# Altium PCB sugar65V2_ARGB_QMK(1).PcbDoc (part 3 of 8)
Units mm, origin at the board's own origin, x right, y up, seen from the top; angles counter-clockwise.
Board outline 416.94 x 174.37 mm, 2 copper layers (Top Layer, Bottom Layer); 304 components, 242 nets, 11102 pads, 1014 vias.
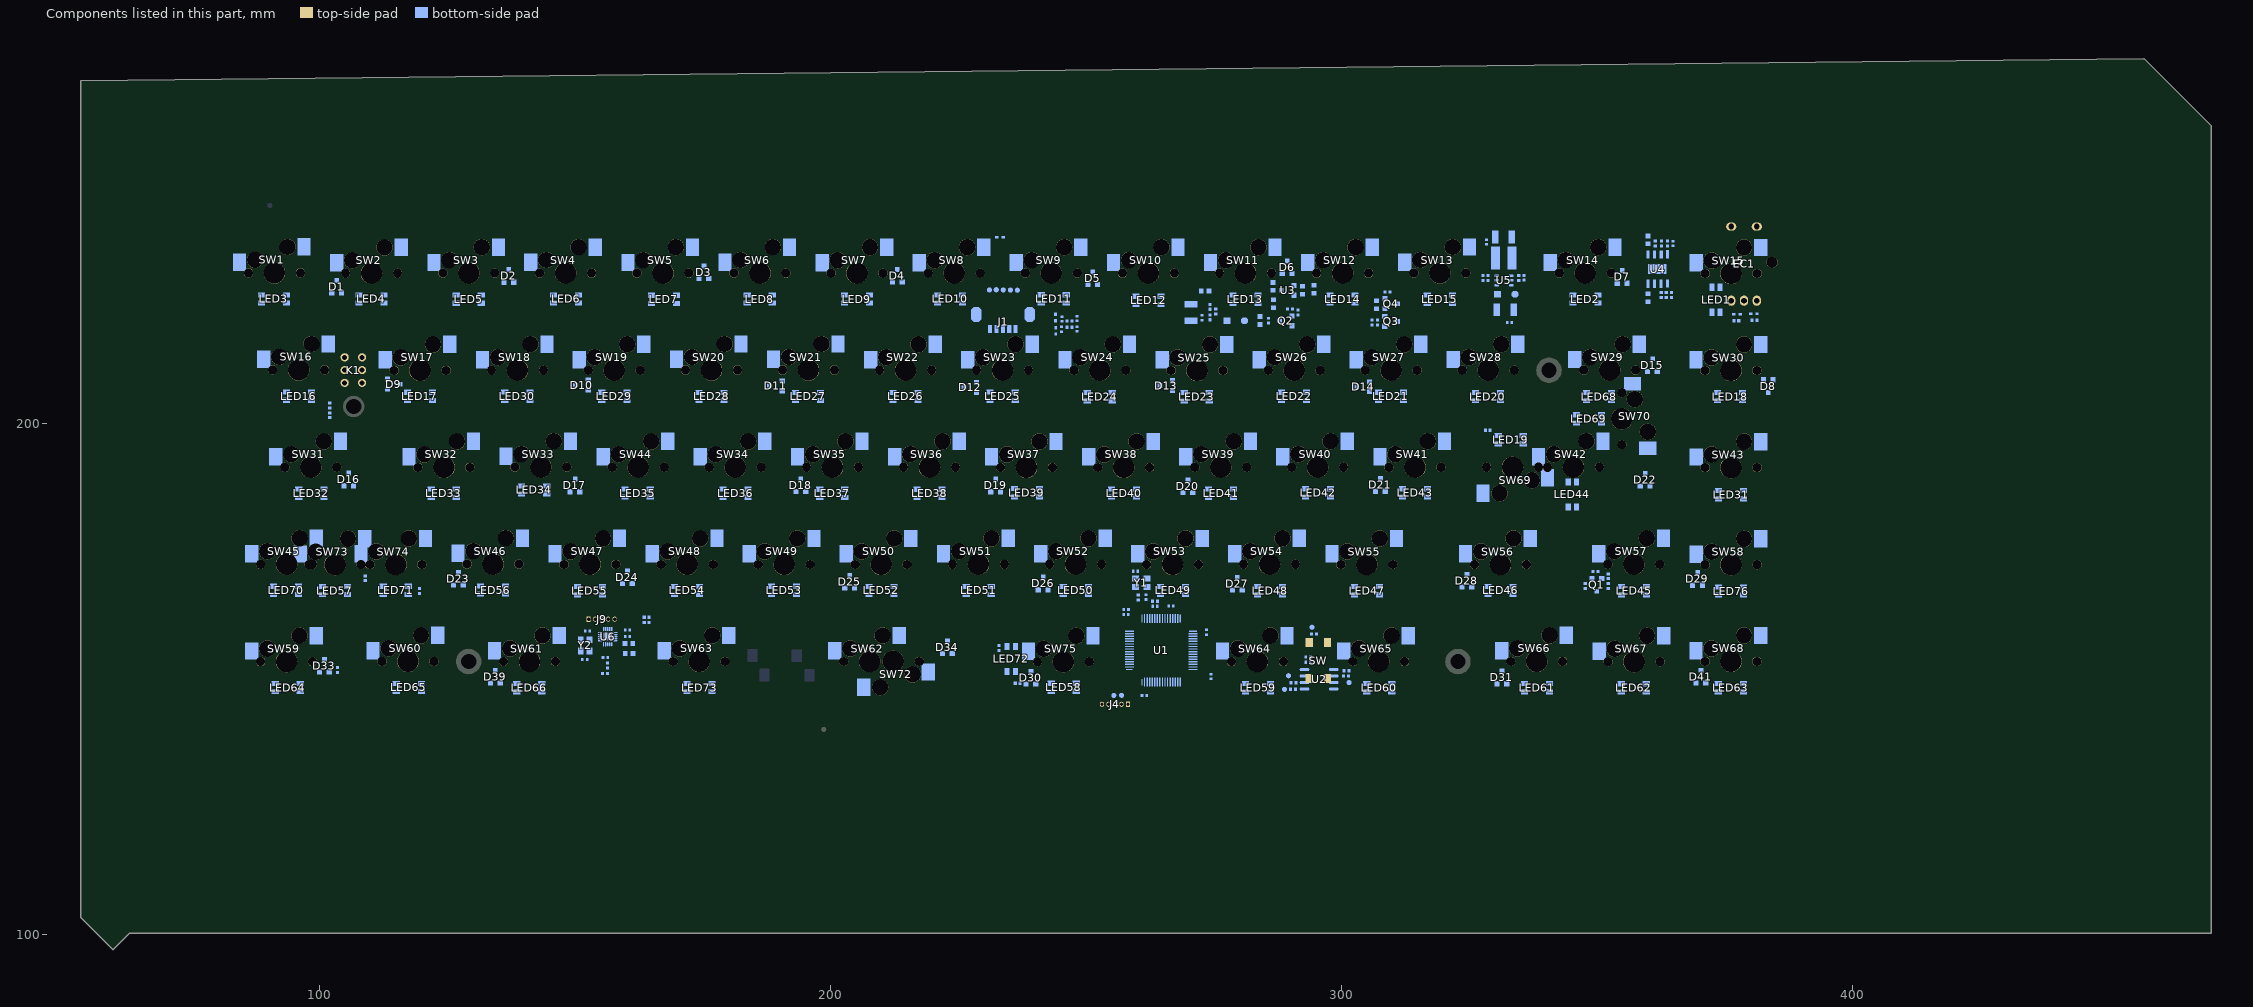
[diagram p3: the components of this part, seen from the top]

## Free pads (board coordinates) (continued)
  round 0.13 on Mech4: 1(86.432,231.961) 1(86.432,231.961) 1(86.462,231.701) 1(86.462,231.701) 1(86.462,232.211) 1(86.462,232.211) 1(86.552,231.471) 1(86.552,231.471) 1(86.552,232.441) 1(86.552,232.441) 1(86.702,231.261) 1(86.702,231.261) 1(86.702,232.651) 1(86.702,232.651) 1(86.892,231.091) 1(86.892,231.091) 1(86.892,232.821) 1(86.892,232.821) 1(87.112,230.971) 1(87.112,230.971) 1(87.112,232.941) 1(87.112,232.941) 1(87.362,230.911) 1(87.362,230.911) 1(87.362,233.001) 1(87.362,233.001) 1(87.612,230.911) 1(87.612,230.911) 1(87.612,233.001) 1(87.612,233.001) 1(87.852,230.971) 1(87.852,230.971) 1(87.852,232.941) 1(87.852,232.941) 1(88.082,231.091) 1(88.082,231.091) 1(88.082,232.821) 1(88.082,232.821) 1(88.272,231.261) 1(88.272,231.261) 1(88.272,232.651) 1(88.272,232.651) 1(88.412,231.471) 1(88.412,231.471) 1(88.412,232.441) 1(88.412,232.441) 1(88.502,231.701) 1(88.502,231.701) 1(88.502,232.211) 1(88.502,232.211) 1(88.532,231.961) 1(88.532,231.961) 1(88.807,155.961) 1(88.807,155.961) 1(88.808,174.962) 1(88.808,174.962) 1(88.837,155.701) 1(88.837,155.701) 1(88.837,156.211) 1(88.837,156.211) 1(88.838,174.702) 1(88.838,174.702) 1(88.838,175.212) 1(88.838,175.212) 1(88.927,155.471) 1(88.927,155.471) 1(88.927,156.441) 1(88.927,156.441) 1(88.928,174.472) 1(88.928,174.472) 1(88.928,175.442) 1(88.928,175.442) 1(89.077,155.261) 1(89.077,155.261) 1(89.077,156.651) 1(89.077,156.651) 1(89.078,174.262) 1(89.078,174.262) 1(89.078,175.652) 1(89.078,175.652) 1(89.267,155.091) 1(89.267,155.091) 1(89.267,156.821) 1(89.267,156.821) 1(89.268,174.092) 1(89.268,174.092) 1(89.268,175.822) 1(89.268,175.822) 1(89.487,154.971) 1(89.487,154.971) 1(89.487,156.941) 1(89.487,156.941) 1(89.488,173.972) 1(89.488,173.972) 1(89.488,175.942) 1(89.488,175.942) 1(89.737,154.911) 1(89.737,154.911) 1(89.737,157.001) 1(89.737,157.001) 1(89.738,173.912) 1(89.738,173.912) 1(89.738,176.002) 1(89.738,176.002) 1(89.987,154.911) 1(89.987,154.911) 1(89.987,157.001) 1(89.987,157.001) 1(89.988,173.912) 1(89.988,173.912) 1(89.988,176.002) 1(89.988,176.002) 1(90.227,154.971) 1(90.227,154.971) 1(90.227,156.941) 1(90.227,156.941) 1(90.228,173.972) 1(90.228,173.972) 1(90.228,175.942) 1(90.228,175.942) 1(90.457,155.091) 1(90.457,155.091) 1(90.457,156.821) 1(90.457,156.821) 1(90.458,174.092) 1(90.458,174.092) 1(90.458,175.822) 1(90.458,175.822) 1(90.647,155.261) 1(90.647,155.261) 1(90.647,156.651) 1(90.647,156.651) 1(90.648,174.262) 1(90.648,174.262) 1(90.648,175.652) 1(90.648,175.652) 1(90.787,155.471) 1(90.787,155.471) 1(90.787,156.441) 1(90.787,156.441) 1(90.788,174.472) 1(90.788,174.472) 1(90.788,175.442) 1(90.788,175.442) 1(90.877,155.701) 1(90.877,155.701) 1(90.877,156.211) 1(90.877,156.211) 1(90.878,174.702) 1(90.878,174.702) 1(90.878,175.212) 1(90.878,175.212) 1(90.907,155.961) 1(90.907,155.961) 1(90.908,174.962) 1(90.908,174.962) 1(91.182,212.961) 1(91.182,212.961) 1(91.212,212.701) 1(91.212,212.701) 1(91.212,213.211) 1(91.212,213.211) 1(91.302,212.471) 1(91.302,212.471) 1(91.302,213.441) 1(91.302,213.441) 1(91.452,212.261) 1(91.452,212.261) 1(91.452,213.651) 1(91.452,213.651) 1(91.642,212.091) 1(91.642,212.091) 1(91.642,213.821) 1(91.642,213.821) 1(91.862,211.971) 1(91.862,211.971) 1(91.862,213.941) 1(91.862,213.941) 1(92.112,211.911) 1(92.112,211.911) 1(92.112,214.001) 1(92.112,214.001) 1(92.362,211.911) 1(92.362,211.911) 1(92.362,214.001) 1(92.362,214.001) 1(92.602,211.971) 1(92.602,211.971) 1(92.602,213.941) 1(92.602,213.941) 1(92.782,234.501) 1(92.782,234.501) 1(92.812,234.241) 1(92.812,234.241) 1(92.812,234.751) 1(92.812,234.751) 1(92.832,212.091) 1(92.832,212.091) 1(92.832,213.821) 1(92.832,213.821) 1(92.902,234.011) 1(92.902,234.011) 1(92.902,234.981) 1(92.902,234.981) 1(93.022,212.261) 1(93.022,212.261) 1(93.022,213.651) 1(93.022,213.651) 1(93.052,233.801) 1(93.052,233.801) 1(93.052,235.191) 1(93.052,235.191) 1(93.162,212.471) 1(93.162,212.471) 1(93.162,213.441) 1(93.162,213.441) 1(93.242,233.631) 1(93.242,233.631) 1(93.242,235.361) 1(93.242,235.361) 1(93.252,212.701) 1(93.252,212.701) 1(93.252,213.211) 1(93.252,213.211) 1(93.282,212.961) 1(93.282,212.961) 1(93.462,233.511) 1(93.462,233.511) 1(93.462,235.481) 1(93.462,235.481) 1(93.557,193.961) 1(93.557,193.961) 1(93.587,193.701) 1(93.587,193.701) 1(93.587,194.211) 1(93.587,194.211) 1(93.677,193.471) 1(93.677,193.471) 1(93.677,194.441) 1(93.677,194.441) 1(93.712,233.451) 1(93.712,233.451) 1(93.712,235.541) 1(93.712,235.541) 1(93.827,193.261) 1(93.827,193.261) 1(93.827,194.651) 1(93.827,194.651) 1(93.962,233.451) 1(93.962,233.451) 1(93.962,235.541) 1(93.962,235.541) 1(94.017,193.091) 1(94.017,193.091) 1(94.017,194.821) 1(94.017,194.821) 1(94.202,233.511) 1(94.202,233.511) 1(94.202,235.481) 1(94.202,235.481) 1(94.237,192.971) 1(94.237,192.971) 1(94.237,194.941) 1(94.237,194.941) 1(94.432,233.631) 1(94.432,233.631) 1(94.432,235.361) 1(94.432,235.361) 1(94.487,192.911) 1(94.487,192.911) 1(94.487,195.001) 1(94.487,195.001) 1(94.622,233.801) 1(94.622,233.801) 1(94.622,235.191) 1(94.622,235.191) 1(94.737,192.911) 1(94.737,192.911) 1(94.737,195.001) 1(94.737,195.001) 1(94.762,234.011) 1(94.762,234.011) 1(94.762,234.981) 1(94.762,234.981) 1(94.852,234.241) 1(94.852,234.241) 1(94.852,234.751) 1(94.852,234.751) 1(94.882,234.501) 1(94.882,234.501) 1(94.977,192.971) 1(94.977,192.971) 1(94.977,194.941) 1(94.977,194.941) 1(95.157,158.501) 1(95.157,158.501) 1(95.158,177.502) 1(95.158,177.502) 1(95.187,158.241) 1(95.187,158.241) 1(95.187,158.751) 1(95.187,158.751) 1(95.188,177.242) 1(95.188,177.242) 1(95.188,177.752) 1(95.188,177.752) 1(95.207,193.091) 1(95.207,193.091) 1(95.207,194.821) 1(95.207,194.821) 1(95.277,158.011) 1(95.277,158.011) 1(95.277,158.981) 1(95.277,158.981) 1(95.278,177.012) 1(95.278,177.012) 1(95.278,177.982) 1(95.278,177.982) 1(95.397,193.261) 1(95.397,193.261) 1(95.397,194.651) 1(95.397,194.651) 1(95.427,157.801) 1(95.427,157.801) 1(95.427,159.191) 1(95.427,159.191) 1(95.428,176.802) 1(95.428,176.802) 1(95.428,178.192) 1(95.428,178.192) 1(95.537,193.471) 1(95.537,193.471) 1(95.537,194.441) 1(95.537,194.441) 1(95.617,157.631) 1(95.617,157.631) 1(95.617,159.361) 1(95.617,159.361) 1(95.618,176.632) 1(95.618,176.632) 1(95.618,178.362) 1(95.618,178.362) 1(95.627,193.701) 1(95.627,193.701) 1(95.627,194.211) 1(95.627,194.211) 1(95.657,193.961) 1(95.657,193.961) 1(95.837,157.511) 1(95.837,157.511) 1(95.837,159.481) 1(95.837,159.481) 1(95.838,176.512) 1(95.838,176.512) 1(95.838,178.482) 1(95.838,178.482) 1(96.087,157.451) 1(96.087,157.451) 1(96.087,159.541) 1(96.087,159.541) 1(96.088,176.452) 1(96.088,176.452) 1(96.088,178.542) 1(96.088,178.542) 1(96.337,157.451) 1(96.337,157.451) 1(96.337,159.541) 1(96.337,159.541) 1(96.338,176.452) 1(96.338,176.452) 1(96.338,178.542) 1(96.338,178.542) 1(96.577,157.511) 1(96.577,157.511) 1(96.577,159.481) 1(96.577,159.481) 1(96.578,176.512) 1(96.578,176.512) 1(96.578,178.482) 1(96.578,178.482) 1(96.807,157.631) 1(96.807,157.631) 1(96.807,159.361) 1(96.807,159.361) 1(96.808,176.632) 1(96.808,176.632) 1(96.808,178.362) 1(96.808,178.362) 1(96.997,157.801) 1(96.997,157.801) 1(96.997,159.191) 1(96.997,159.191) 1(96.998,176.802) 1(96.998,176.802) 1(96.998,178.192) 1(96.998,178.192) 1(97.137,158.011) 1(97.137,158.011) 1(97.137,158.981) 1(97.137,158.981) 1(97.138,177.012) 1(97.138,177.012) 1(97.138,177.982) 1(97.138,177.982) 1(97.227,158.241) 1(97.227,158.241) 1(97.227,158.751) 1(97.227,158.751) 1(97.228,177.242) 1(97.228,177.242) 1(97.228,177.752) 1(97.228,177.752) 1(97.257,158.501) 1(97.257,158.501) 1(97.258,177.502) 1(97.258,177.502) 1(97.532,215.501) 1(97.532,215.501) 1(97.562,215.241) 1(97.562,215.241) 1(97.562,215.751) 1(97.562,215.751) 1(97.652,215.011) 1(97.652,215.011) 1(97.652,215.981) 1(97.652,215.981) 1(97.802,214.801) 1(97.802,214.801) 1(97.802,216.191) 1(97.802,216.191) 1(97.992,214.631) 1(97.992,214.631) 1(97.992,216.361) 1(97.992,216.361) 1(98.212,214.511) 1(98.212,214.511) 1(98.212,216.481) 1(98.212,216.481) 1(98.307,174.961) 1(98.307,174.961) 1(98.337,174.701) 1(98.337,174.701) 1(98.337,175.211) 1(98.337,175.211) 1(98.427,174.471) 1(98.427,174.471) 1(98.427,175.441) 1(98.427,175.441) 1(98.462,214.451) 1(98.462,214.451) 1(98.462,216.541) 1(98.462,216.541) 1(98.577,174.261) 1(98.577,174.261) 1(98.577,175.651) 1(98.577,175.651) 1(98.712,214.451) 1(98.712,214.451) 1(98.712,216.541) 1(98.712,216.541) 1(98.767,174.091) 1(98.767,174.091) 1(98.767,175.821) 1(98.767,175.821) 1(98.952,214.511) 1(98.952,214.511) 1(98.952,216.481) 1(98.952,216.481) 1(98.987,173.971) 1(98.987,173.971) 1(98.987,175.941) 1(98.987,175.941) 1(99.182,214.631) 1(99.182,214.631) 1(99.182,216.361) 1(99.182,216.361) 1(99.237,173.911) 1(99.237,173.911) 1(99.237,176.001) 1(99.237,176.001) 1(99.372,214.801) 1(99.372,214.801) 1(99.372,216.191) 1(99.372,216.191) 1(99.487,173.911) 1(99.487,173.911) 1(99.487,176.001) 1(99.487,176.001) 1(99.512,215.011) 1(99.512,215.011) 1(99.512,215.981) 1(99.512,215.981) 1(99.602,215.241) 1(99.602,215.241) 1(99.602,215.751) 1(99.602,215.751) 1(99.632,215.501) 1(99.632,215.501) 1(99.727,173.971) 1(99.727,173.971) 1(99.727,175.941) 1(99.727,175.941) 1(99.907,196.501) 1(99.907,196.501) 1(99.937,196.241) 1(99.937,196.241) 1(99.937,196.751) 1(99.937,196.751) 1(99.957,174.091) 1(99.957,174.091) 1(99.957,175.821) 1(99.957,175.821) 1(100.027,196.011) 1(100.027,196.011) 1(100.027,196.981) 1(100.027,196.981) 1(100.147,174.261) 1(100.147,174.261) 1(100.147,175.651) 1(100.147,175.651) 1(100.177,195.801) 1(100.177,195.801) 1(100.177,197.191) 1(100.177,197.191) 1(100.287,174.471) 1(100.287,174.471) 1(100.287,175.441) 1(100.287,175.441) 1(100.367,195.631) 1(100.367,195.631) 1(100.367,197.361) 1(100.367,197.361) 1(100.377,174.701) 1(100.377,174.701) 1(100.377,175.211) 1(100.377,175.211) 1(100.407,174.961) 1(100.407,174.961) 1(100.587,195.511) 1(100.587,195.511) 1(100.587,197.481) 1(100.587,197.481) 1(100.837,195.451) 1(100.837,195.451) 1(100.837,197.541) 1(100.837,197.541) 1(101.087,195.451) 1(101.087,195.451) 1(101.087,197.541) 1(101.087,197.541) 1(101.327,195.511) 1(101.327,195.511) 1(101.327,197.481) 1(101.327,197.481) 1(101.557,195.631) 1(101.557,195.631) 1(101.557,197.361) 1(101.557,197.361) 1(101.747,195.801) 1(101.747,195.801) 1(101.747,197.191) 1(101.747,197.191) 1(101.887,196.011) 1(101.887,196.011) 1(101.887,196.981) 1(101.887,196.981) 1(101.977,196.241) 1(101.977,196.241) 1(101.977,196.751) 1(101.977,196.751) 1(102.007,196.501) 1(102.007,196.501) 1(104.657,177.501) 1(104.657,177.501) 1(104.687,177.241) 1(104.687,177.241) 1(104.687,177.751) 1(104.687,177.751) 1(104.777,177.011) 1(104.777,177.011) 1(104.777,177.981) 1(104.777,177.981) 1(104.927,176.801) 1(104.927,176.801) 1(104.927,178.191) 1(104.927,178.191) 1(105.117,176.631) 1(105.117,176.631) 1(105.117,178.361) 1(105.117,178.361) 1(105.337,176.511) 1(105.337,176.511) 1(105.337,178.481) 1(105.337,178.481) 1(105.432,231.961) 1(105.432,231.961) 1(105.462,231.701) 1(105.462,231.701) 1(105.462,232.211) 1(105.462,232.211) 1(105.552,231.471) 1(105.552,231.471) 1(105.552,232.441) 1(105.552,232.441) 1(105.587,176.451) 1(105.587,176.451) 1(105.587,178.541) 1(105.587,178.541) 1(105.702,231.261) 1(105.702,231.261) 1(105.702,232.651) 1(105.702,232.651) 1(105.837,176.451) 1(105.837,176.451) 1(105.837,178.541) 1(105.837,178.541) 1(105.892,231.091) 1(105.892,231.091) 1(105.892,232.821) 1(105.892,232.821) 1(106.077,176.511) 1(106.077,176.511) 1(106.077,178.481) 1(106.077,178.481) 1(106.112,230.971) 1(106.112,230.971) 1(106.112,232.941) 1(106.112,232.941) 1(106.307,176.631) 1(106.307,176.631) 1(106.307,178.361) 1(106.307,178.361) 1(106.362,230.911) 1(106.362,230.911) 1(106.362,233.001) 1(106.362,233.001) 1(106.497,176.801) 1(106.497,176.801) 1(106.497,178.191) 1(106.497,178.191) 1(106.612,230.911) 1(106.612,230.911) 1(106.612,233.001) 1(106.612,233.001) 1(106.637,177.011) 1(106.637,177.011) 1(106.637,177.981) 1(106.637,177.981) 1(106.727,177.241) 1(106.727,177.241) 1(106.727,177.751) 1(106.727,177.751) 1(106.757,177.501) 1(106.757,177.501) 1(106.852,230.971) 1(106.852,230.971) 1(106.852,232.941) 1(106.852,232.941) 1(107.082,231.091) 1(107.082,231.091) 1(107.082,232.821) 1(107.082,232.821) 1(107.272,231.261) 1(107.272,231.261) 1(107.272,232.651) 1(107.272,232.651) 1(107.412,231.471) 1(107.412,231.471) 1(107.412,232.441) 1(107.412,232.441) 1(107.502,231.701) 1(107.502,231.701) 1(107.502,232.211) 1(107.502,232.211) 1(107.532,231.961) 1(107.532,231.961) 1(110.183,174.962) 1(110.183,174.962) 1(110.213,174.702) 1(110.213,174.702) 1(110.213,175.212) 1(110.213,175.212) 1(110.303,174.472) 1(110.303,174.472) 1(110.303,175.442) 1(110.303,175.442) 1(110.453,174.262) 1(110.453,174.262) 1(110.453,175.652) 1(110.453,175.652) 1(110.643,174.092) 1(110.643,174.092) 1(110.643,175.822) 1(110.643,175.822) 1(110.863,173.972) 1(110.863,173.972) 1(110.863,175.942) 1(110.863,175.942) 1(111.113,173.912) 1(111.113,173.912) 1(111.113,176.002) 1(111.113,176.002) 1(111.363,173.912) 1(111.363,173.912) 1(111.363,176.002) 1(111.363,176.002) 1(111.603,173.972) 1(111.603,173.972) 1(111.603,175.942) 1(111.603,175.942) 1(111.782,234.501) 1(111.782,234.501) 1(111.812,234.241) 1(111.812,234.241) 1(111.812,234.751) 1(111.812,234.751) 1(111.833,174.092) 1(111.833,174.092) 1(111.833,175.822) 1(111.833,175.822) 1(111.902,234.011) 1(111.902,234.011) 1(111.902,234.981) 1(111.902,234.981) 1(112.023,174.262) 1(112.023,174.262) 1(112.023,175.652) 1(112.023,175.652) 1(112.052,233.801) 1(112.052,233.801) 1(112.052,235.191) 1(112.052,235.191) 1(112.163,174.472) 1(112.163,174.472) 1(112.163,175.442) 1(112.163,175.442) 1(112.242,233.631) 1(112.242,233.631) 1(112.242,235.361) 1(112.242,235.361) 1(112.253,174.702) 1(112.253,174.702) 1(112.253,175.212) 1(112.253,175.212) 1(112.283,174.962) 1(112.283,174.962) 1(112.462,233.511) 1(112.462,233.511) 1(112.462,235.481) 1(112.462,235.481) 1(112.558,155.961) 1(112.558,155.961) 1(112.588,155.701) 1(112.588,155.701) 1(112.588,156.211) 1(112.588,156.211) 1(112.678,155.471) 1(112.678,155.471) 1(112.678,156.441) 1(112.678,156.441) 1(112.712,233.451) 1(112.712,233.451) 1(112.712,235.541) 1(112.712,235.541) 1(112.828,155.261) 1(112.828,155.261) 1(112.828,156.651) 1(112.828,156.651) 1(112.962,233.451) 1(112.962,233.451) 1(112.962,235.541) 1(112.962,235.541) 1(113.018,155.091) 1(113.018,155.091) 1(113.018,156.821) 1(113.018,156.821) 1(113.202,233.511) 1(113.202,233.511) 1(113.202,235.481) 1(113.202,235.481) 1(113.238,154.971) 1(113.238,154.971) 1(113.238,156.941) 1(113.238,156.941) 1(113.432,233.631) 1(113.432,233.631) 1(113.432,235.361) 1(113.432,235.361) 1(113.487,154.911) 1(113.487,154.911) 1(113.487,157.001) 1(113.487,157.001) 1(113.622,233.801) 1(113.622,233.801) 1(113.622,235.191) 1(113.622,235.191) 1(113.737,154.911) 1(113.737,154.911) 1(113.737,157.001) 1(113.737,157.001) 1(113.762,234.011) 1(113.762,234.011) 1(113.762,234.981) 1(113.762,234.981) 1(113.852,234.241) 1(113.852,234.241) 1(113.852,234.751) 1(113.852,234.751) 1(113.882,234.501) 1(113.882,234.501) 1(113.977,154.971) 1(113.977,154.971) 1(113.977,156.941) 1(113.977,156.941) 1(114.207,155.091) 1(114.207,155.091) 1(114.207,156.821) 1(114.207,156.821) 1(114.398,155.261) 1(114.398,155.261) 1(114.398,156.651) 1(114.398,156.651) 1(114.537,155.471) 1(114.537,155.471) 1(114.537,156.441) 1(114.537,156.441) 1(114.627,155.701) 1(114.627,155.701) 1(114.627,156.211) 1(114.627,156.211) 1(114.657,155.961) 1(114.657,155.961) 1(114.933,212.961) 1(114.933,212.961) 1(114.963,212.701) 1(114.963,212.701) 1(114.963,213.211) 1(114.963,213.211) 1(115.053,212.471) 1(115.053,212.471) 1(115.053,213.441) 1(115.053,213.441) 1(115.203,212.261) 1(115.203,212.261) 1(115.203,213.651) 1(115.203,213.651) 1(115.393,212.091) 1(115.393,212.091) 1(115.393,213.821) 1(115.393,213.821) 1(115.613,211.971) 1(115.613,211.971) 1(115.613,213.941) 1(115.613,213.941) 1(115.863,211.911) 1(115.863,211.911) 1(115.863,214.001) 1(115.863,214.001) 1(116.113,211.911) 1(116.113,211.911) 1(116.113,214.001) 1(116.113,214.001) 1(116.353,211.971) 1(116.353,211.971) 1(116.353,213.941) 1(116.353,213.941) 1(116.533,177.502) 1(116.533,177.502) 1(116.563,177.242) 1(116.563,177.242) 1(116.563,177.752) 1(116.563,177.752) 1(116.583,212.091) 1(116.583,212.091) 1(116.583,213.821) 1(116.583,213.821) 1(116.653,177.012) 1(116.653,177.012) 1(116.653,177.982) 1(116.653,177.982) 1(116.773,212.261) 1(116.773,212.261) 1(116.773,213.651) 1(116.773,213.651) 1(116.803,176.802) 1(116.803,176.802) 1(116.803,178.192) 1(116.803,178.192) 1(116.913,212.471) 1(116.913,212.471) 1(116.913,213.441) 1(116.913,213.441) 1(116.993,176.632) 1(116.993,176.632) 1(116.993,178.362) 1(116.993,178.362) 1(117.003,212.701) 1(117.003,212.701) 1(117.003,213.211) 1(117.003,213.211) 1(117.033,212.961) 1(117.033,212.961) 1(117.213,176.512) 1(117.213,176.512) 1(117.213,178.482) 1(117.213,178.482) 1(117.463,176.452) 1(117.463,176.452) 1(117.463,178.542) 1(117.463,178.542) 1(117.713,176.452) 1(117.713,176.452) 1(117.713,178.542) 1(117.713,178.542) 1(117.953,176.512) 1(117.953,176.512) 1(117.953,178.482) 1(117.953,178.482) 1(118.183,176.632) 1(118.183,176.632) 1(118.183,178.362) 1(118.183,178.362) 1(118.373,176.802) 1(118.373,176.802) 1(118.373,178.192) 1(118.373,178.192) 1(118.513,177.012) 1(118.513,177.012) 1(118.513,177.982) 1(118.513,177.982) 1(118.603,177.242) 1(118.603,177.242) 1(118.603,177.752) 1(118.603,177.752) 1(118.633,177.502) 1(118.633,177.502) 1(118.907,158.501) 1(118.907,158.501) 1(118.937,158.241) 1(118.937,158.241) 1(118.937,158.751) 1(118.937,158.751) 1(119.027,158.011) 1(119.027,158.011) 1(119.027,158.981) 1(119.027,158.981) 1(119.177,157.801) 1(119.177,157.801) 1(119.177,159.191) 1(119.177,159.191) 1(119.367,157.631) 1(119.367,157.631) 1(119.367,159.361) 1(119.367,159.361) 1(119.583,193.961) 1(119.583,193.961) 1(119.587,157.511) 1(119.587,157.511) 1(119.587,159.481) 1(119.587,159.481) 1(119.613,193.701) 1(119.613,193.701) 1(119.613,194.211) 1(119.613,194.211) 1(119.703,193.471) 1(119.703,193.471) 1(119.703,194.441) 1(119.703,194.441) 1(119.837,157.451) 1(119.837,157.451) 1(119.837,159.541) 1(119.837,159.541) 1(119.853,193.261) 1(119.853,193.261) 1(119.853,194.651) 1(119.853,194.651) 1(120.043,193.091) 1(120.043,193.091) 1(120.043,194.821) 1(120.043,194.821) 1(120.087,157.451) 1(120.087,157.451) 1(120.087,159.541) 1(120.087,159.541) 1(120.263,192.971) 1(120.263,192.971) 1(120.263,194.941) 1(120.263,194.941) 1(120.327,157.511) 1(120.327,157.511) 1(120.327,159.481) 1(120.327,159.481) 1(120.513,192.911) 1(120.513,192.911) 1(120.513,195.001) 1(120.513,195.001) 1(120.557,157.631) 1(120.557,157.631) 1(120.557,159.361) 1(120.557,159.361) 1(120.747,157.801) 1(120.747,157.801) 1(120.747,159.191) 1(120.747,159.191) 1(120.763,192.911) 1(120.763,192.911) 1(120.763,195.001) 1(120.763,195.001) 1(120.887,158.011) 1(120.887,158.011) 1(120.887,158.981) 1(120.887,158.981) 1(120.977,158.241) 1(120.977,158.241) 1(120.977,158.751) 1(120.977,158.751) 1(121.003,192.971) 1(121.003,192.971) 1(121.003,194.941) 1(121.003,194.941) 1(121.007,158.501) 1(121.007,158.501) 1(121.233,193.091) 1(121.233,193.091) 1(121.233,194.821) 1(121.233,194.821) 1(121.282,215.501) 1(121.282,215.501) 1(121.312,215.241) 1(121.312,215.241) 1(121.312,215.751) 1(121.312,215.751) 1(121.402,215.011) 1(121.402,215.011) 1(121.402,215.981) 1(121.402,215.981) 1(121.423,193.261) 1(121.423,193.261) 1(121.423,194.651) 1(121.423,194.651) 1(121.552,214.801) 1(121.552,214.801) 1(121.552,216.191) 1(121.552,216.191) 1(121.563,193.471) 1(121.563,193.471) 1(121.563,194.441) 1(121.563,194.441) 1(121.653,193.701) 1(121.653,193.701) 1(121.653,194.211) 1(121.653,194.211) 1(121.683,193.961) 1(121.683,193.961) 1(121.742,214.631) 1(121.742,214.631) 1(121.742,216.361) 1(121.742,216.361) 1(121.962,214.511) 1(121.962,214.511) 1(121.962,216.481) 1(121.962,216.481) 1(122.212,214.451) 1(122.212,214.451) 1(122.212,216.541) 1(122.212,216.541) 1(122.462,214.451) 1(122.462,214.451) 1(122.462,216.541) 1(122.462,216.541) 1(122.702,214.511) 1(122.702,214.511) 1(122.702,216.481) 1(122.702,216.481) 1(122.932,214.631) 1(122.932,214.631) 1(122.932,216.361) 1(122.932,216.361) 1(123.122,214.801) 1(123.122,214.801) 1(123.122,216.191) 1(123.122,216.191) 1(123.262,215.011) 1(123.262,215.011) 1(123.262,215.981) 1(123.262,215.981) 1(123.352,215.241) 1(123.352,215.241) 1(123.352,215.751) 1(123.352,215.751) 1(123.382,215.501) 1(123.382,215.501) 1(124.433,231.961) 1(124.433,231.961) 1(124.463,231.701) 1(124.463,231.701) 1(124.463,232.211) 1(124.463,232.211) 1(124.553,231.471) 1(124.553,231.471) 1(124.553,232.441) 1(124.553,232.441) 1(124.703,231.261) 1(124.703,231.261) 1(124.703,232.651) 1(124.703,232.651) 1(124.893,231.091) 1(124.893,231.091) 1(124.893,232.821) 1(124.893,232.821) 1(125.113,230.971) 1(125.113,230.971) 1(125.113,232.941) 1(125.113,232.941) 1(125.363,230.911) 1(125.363,230.911) 1(125.363,233.001) 1(125.363,233.001) 1(125.613,230.911) 1(125.613,230.911) 1(125.613,233.001) 1(125.613,233.001) 1(125.853,230.971) 1(125.853,230.971) 1(125.853,232.941) 1(125.853,232.941) 1(125.932,196.501) 1(125.932,196.501) 1(125.963,196.241) 1(125.963,196.241) 1(125.963,196.751) 1(125.963,196.751) 1(126.052,196.011) 1(126.052,196.011) 1(126.052,196.981) 1(126.052,196.981) 1(126.083,231.091) 1(126.083,231.091) 1(126.083,232.821) 1(126.083,232.821) 1(126.202,195.801) 1(126.202,195.801) 1(126.202,197.191) 1(126.202,197.191) 1(126.273,231.261) 1(126.273,231.261) 1(126.273,232.651) 1(126.273,232.651) 1(126.393,195.631) 1(126.393,195.631) 1(126.393,197.361) 1(126.393,197.361) 1(126.413,231.471) 1(126.413,231.471) 1(126.413,232.441) 1(126.413,232.441) 1(126.503,231.701) 1(126.503,231.701) 1(126.503,232.211) 1(126.503,232.211) 1(126.533,231.961) 1(126.533,231.961) 1(126.612,195.511) 1(126.612,195.511) 1(126.612,197.481) 1(126.612,197.481) 1(126.862,195.451) 1(126.862,195.451) 1(126.862,197.541) 1(126.862,197.541) 1(127.112,195.451) 1(127.112,195.451) 1(127.112,197.541) 1(127.112,197.541) 1(127.352,195.511) 1(127.352,195.511) 1(127.352,197.481) 1(127.352,197.481) 1(127.582,195.631) 1(127.582,195.631) 1(127.582,197.361) 1(127.582,197.361) 1(127.772,195.801) 1(127.772,195.801) 1(127.772,197.191) 1(127.772,197.191) 1(127.912,196.011) 1(127.912,196.011) 1(127.912,196.981) 1(127.912,196.981) 1(128.002,196.241) 1(128.002,196.241) 1(128.002,196.751) 1(128.002,196.751) 1(128.032,196.501) 1(128.032,196.501) 1(129.183,175.037) 1(129.183,175.037) 1(129.213,174.777) 1(129.213,174.777) 1(129.213,175.287) 1(129.213,175.287) 1(129.303,174.547) 1(129.303,174.547) 1(129.303,175.517) 1(129.303,175.517) 1(129.453,174.337) 1(129.453,174.337) 1(129.453,175.727) 1(129.453,175.727) 1(129.643,174.167) 1(129.643,174.167) 1(129.643,175.897) 1(129.643,175.897) 1(129.863,174.047) 1(129.863,174.047) 1(129.863,176.017) 1(129.863,176.017) 1(130.113,173.987) 1(130.113,173.987) 1(130.113,176.077) 1(130.113,176.077) 1(130.363,173.987) 1(130.363,173.987) 1(130.363,176.077) 1(130.363,176.077) 1(130.603,174.047) 1(130.603,174.047) 1(130.603,176.017) 1(130.603,176.017) 1(130.782,234.501) 1(130.782,234.501) 1(130.813,234.241) 1(130.813,234.241) 1(130.813,234.751) 1(130.813,234.751) 1(130.833,174.167) 1(130.833,174.167) 1(130.833,175.897) 1(130.833,175.897) 1(130.902,234.011) 1(130.902,234.011) 1(130.902,234.981) 1(130.902,234.981) 1(131.023,174.337) 1(131.023,174.337) 1(131.023,175.727) 1(131.023,175.727) 1(131.052,233.801) 1(131.052,233.801) 1(131.052,235.191) 1(131.052,235.191) 1(131.163,174.547) 1(131.163,174.547) 1(131.163,175.517) 1(131.163,175.517) 1(131.243,233.631) 1(131.243,233.631) 1(131.243,235.361) 1(131.243,235.361) 1(131.253,174.777) 1(131.253,174.777) 1(131.253,175.287) 1(131.253,175.287) 1(131.283,175.037) 1(131.283,175.037) 1(131.462,233.511) 1(131.462,233.511) 1(131.462,235.481) 1(131.462,235.481) 1(131.713,233.451) 1(131.713,233.451) 1(131.713,235.541) 1(131.713,235.541) 1(131.962,233.451) 1(131.962,233.451) 1(131.962,235.541) 1(131.962,235.541) 1(132.202,233.511) 1(132.202,233.511) 1(132.202,235.481) 1(132.202,235.481) 1(132.432,233.631) 1(132.432,233.631) 1(132.432,235.361) 1(132.432,235.361) 1(132.622,233.801) 1(132.622,233.801) 1(132.622,235.191) 1(132.622,235.191) 1(132.762,234.011) 1(132.762,234.011) 1(132.762,234.981) 1(132.762,234.981) 1(132.852,234.241) 1(132.852,234.241) 1(132.852,234.751) 1(132.852,234.751) 1(132.882,234.501) 1(132.882,234.501) 1(133.933,212.961) 1(133.933,212.961) 1(133.963,212.701) 1(133.963,212.701) 1(133.963,213.211) 1(133.963,213.211) 1(134.053,212.471) 1(134.053,212.471) 1(134.053,213.441) 1(134.053,213.441) 1(134.203,212.261) 1(134.203,212.261) 1(134.203,213.651) 1(134.203,213.651) 1(134.393,212.091) 1(134.393,212.091) 1(134.393,213.821) 1(134.393,213.821) 1(134.613,211.971) 1(134.613,211.971) 1(134.613,213.941) 1(134.613,213.941) 1(134.863,211.911) 1(134.863,211.911) 1(134.863,214.001) 1(134.863,214.001) 1(135.113,211.911) 1(135.113,211.911) 1(135.113,214.001) 1(135.113,214.001) 1(135.353,211.971) 1(135.353,211.971) 1(135.353,213.941) 1(135.353,213.941) 1(135.533,177.577) 1(135.533,177.577) 1(135.563,177.317) 1(135.563,177.317) 1(135.563,177.827) 1(135.563,177.827) 1(135.583,212.091) 1(135.583,212.091) 1(135.583,213.821) 1(135.583,213.821) 1(135.653,177.087) 1(135.653,177.087) 1(135.653,178.057) 1(135.653,178.057) 1(135.773,212.261) 1(135.773,212.261) 1(135.773,213.651) 1(135.773,213.651) 1(135.803,176.877) 1(135.803,176.877) 1(135.803,178.267) 1(135.803,178.267) 1(135.913,212.471) 1(135.913,212.471) 1(135.913,213.441) 1(135.913,213.441) 1(135.993,176.707) 1(135.993,176.707) 1(135.993,178.437) 1(135.993,178.437) 1(136.003,212.701) 1(136.003,212.701) 1(136.003,213.211) 1(136.003,213.211) 1(136.033,212.961) 1(136.033,212.961) 1(136.213,176.587) 1(136.213,176.587) 1(136.213,178.557) 1(136.213,178.557) 1(136.308,155.961) 1(136.308,155.961) 1(136.338,155.701) 1(136.338,155.701) 1(136.338,156.211) 1(136.338,156.211) 1(136.428,155.471) 1(136.428,155.471) 1(136.428,156.441) 1(136.428,156.441) 1(136.463,176.527) 1(136.463,176.527) 1(136.463,178.617) 1(136.463,178.617) 1(136.578,155.261) 1(136.578,155.261) 1(136.578,156.651) 1(136.578,156.651) 1(136.713,176.527) 1(136.713,176.527) 1(136.713,178.617) 1(136.713,178.617) 1(136.768,155.091) 1(136.768,155.091) 1(136.768,156.821) 1(136.768,156.821) 1(136.953,176.587) 1(136.953,176.587) 1(136.953,178.557) 1(136.953,178.557) 1(136.988,154.971) 1(136.988,154.971) 1(136.988,156.941) 1(136.988,156.941) 1(137.183,176.707) 1(137.183,176.707) 1(137.183,178.437) 1(137.183,178.437) 1(137.238,154.911) 1(137.238,154.911) 1(137.238,157.001) 1(137.238,157.001) 1(137.373,176.877) 1(137.373,176.877) 1(137.373,178.267) 1(137.373,178.267) 1(137.488,154.911) 1(137.488,154.911) 1(137.488,157.001) 1(137.488,157.001) 1(137.513,177.087) 1(137.513,177.087) 1(137.513,178.057) 1(137.513,178.057) 1(137.603,177.317) 1(137.603,177.317) 1(137.603,177.827) 1(137.603,177.827) 1(137.633,177.577) 1(137.633,177.577) 1(137.728,154.971) 1(137.728,154.971) 1(137.728,156.941) 1(137.728,156.941) 1(137.958,155.091) 1(137.958,155.091) 1(137.958,156.821) 1(137.958,156.821) 1(138.148,155.261) 1(138.148,155.261) 1(138.148,156.651) 1(138.148,156.651) 1(138.288,155.471) 1(138.288,155.471) 1(138.288,156.441) 1(138.288,156.441) 1(138.378,155.701) 1(138.378,155.701) 1(138.378,156.211) 1(138.378,156.211) 1(138.408,155.961) 1(138.408,155.961) 1(138.583,193.961) 1(138.583,193.961) 1(138.613,193.701) 1(138.613,193.701) 1(138.613,194.211) 1(138.613,194.211) 1(138.703,193.471) 1(138.703,193.471) 1(138.703,194.441) 1(138.703,194.441) 1(138.853,193.261) 1(138.853,193.261) 1(138.853,194.651) 1(138.853,194.651) 1(139.043,193.091) 1(139.043,193.091) 1(139.043,194.821) 1(139.043,194.821) 1(139.263,192.971) 1(139.263,192.971) 1(139.263,194.941) 1(139.263,194.941) 1(139.513,192.911) 1(139.513,192.911) 1(139.513,195.001) 1(139.513,195.001) 1(139.763,192.911) 1(139.763,192.911) 1(139.763,195.001) 1(139.763,195.001) 1(140.003,192.971) 1(140.003,192.971) 1(140.003,194.941) 1(140.003,194.941) 1(140.233,193.091) 1(140.233,193.091) 1(140.233,194.821) 1(140.233,194.821) 1(140.283,215.501) 1(140.283,215.501) 1(140.313,215.241) 1(140.313,215.241) 1(140.313,215.751) 1(140.313,215.751) 1(140.403,215.011) 1(140.403,215.011) 1(140.403,215.981) 1(140.403,215.981) 1(140.423,193.261) 1(140.423,193.261) 1(140.423,194.651) 1(140.423,194.651) 1(140.553,214.801) 1(140.553,214.801) 1(140.553,216.191) 1(140.553,216.191) 1(140.563,193.471) 1(140.563,193.471) 1(140.563,194.441) 1(140.563,194.441) 1(140.653,193.701) 1(140.653,193.701) 1(140.653,194.211) 1(140.653,194.211) 1(140.683,193.961) 1(140.683,193.961) 1(140.743,214.631) 1(140.743,214.631) 1(140.743,216.361) 1(140.743,216.361) 1(140.963,214.511) 1(140.963,214.511) 1(140.963,216.481) 1(140.963,216.481) 1(141.213,214.451) 1(141.213,214.451) 1(141.213,216.541) 1(141.213,216.541) 1(141.463,214.451) 1(141.463,214.451) 1(141.463,216.541) 1(141.463,216.541) 1(141.703,214.511) 1(141.703,214.511) 1(141.703,216.481) 1(141.703,216.481) 1(141.933,214.631) 1(141.933,214.631) 1(141.933,216.361) 1(141.933,216.361) 1(142.123,214.801) 1(142.123,214.801) 1(142.123,216.191) 1(142.123,216.191) 1(142.263,215.011) 1(142.263,215.011) 1(142.263,215.981) 1(142.263,215.981) 1(142.353,215.241) 1(142.353,215.241) 1(142.353,215.751) 1(142.353,215.751) 1(142.383,215.501) 1(142.383,215.501) 1(142.658,158.501) 1(142.658,158.501) 1(142.688,158.241) 1(142.688,158.241) 1(142.688,158.751) 1(142.688,158.751) 1(142.778,158.011) 1(142.778,158.011) 1(142.778,158.981) 1(142.778,158.981) 1(142.928,157.801) 1(142.928,157.801) 1(142.928,159.191) 1(142.928,159.191) 1(143.118,157.631) 1(143.118,157.631) 1(143.118,159.361) 1(143.118,159.361) 1(143.338,157.511) 1(143.338,157.511) 1(143.338,159.481) 1(143.338,159.481) 1(143.433,231.961) 1(143.433,231.961) 1(143.463,231.701) 1(143.463,231.701) 1(143.463,232.211) 1(143.463,232.211) 1(143.553,231.471) 1(143.553,231.471) 1(143.553,232.441) 1(143.553,232.441) 1(143.588,157.451) 1(143.588,157.451) 1(143.588,159.541) 1(143.588,159.541) 1(143.703,231.261) 1(143.703,231.261) 1(143.703,232.651) 1(143.703,232.651) 1(143.838,157.451) 1(143.838,157.451) 1(143.838,159.541) 1(143.838,159.541) 1(143.893,231.091) 1(143.893,231.091) 1(143.893,232.821) 1(143.893,232.821) 1(144.078,157.511) 1(144.078,157.511) 1(144.078,159.481) 1(144.078,159.481) 1(144.113,230.971) 1(144.113,230.971) 1(144.113,232.941) 1(144.113,232.941) 1(144.308,157.631) 1(144.308,157.631) 1(144.308,159.361) 1(144.308,159.361) 1(144.363,230.911) 1(144.363,230.911) 1(144.363,233.001) 1(144.363,233.001) 1(144.498,157.801) 1(144.498,157.801) 1(144.498,159.191) 1(144.498,159.191) 1(144.613,230.911) 1(144.613,230.911) 1(144.613,233.001) 1(144.613,233.001) 1(144.638,158.011) 1(144.638,158.011) 1(144.638,158.981) 1(144.638,158.981) 1(144.728,158.241) 1(144.728,158.241) 1(144.728,158.751) 1(144.728,158.751) 1(144.758,158.501) 1(144.758,158.501) 1(144.853,230.971) 1(144.853,230.971) 1(144.853,232.941) 1(144.853,232.941) 1(144.933,196.501) 1(144.933,196.501) 1(144.963,196.241) 1(144.963,196.241) 1(144.963,196.751) 1(144.963,196.751) 1(145.053,196.011) 1(145.053,196.011) 1(145.053,196.981) 1(145.053,196.981) 1(145.083,231.091) 1(145.083,231.091) 1(145.083,232.821) 1(145.083,232.821) 1(145.203,195.801) 1(145.203,195.801) 1(145.203,197.191) 1(145.203,197.191) 1(145.273,231.261) 1(145.273,231.261) 1(145.273,232.651) 1(145.273,232.651) 1(145.393,195.631) 1(145.393,195.631) 1(145.393,197.361) 1(145.393,197.361) 1(145.413,231.471) 1(145.413,231.471) 1(145.413,232.441) 1(145.413,232.441) 1(145.503,231.701) 1(145.503,231.701) 1(145.503,232.211) 1(145.503,232.211) 1(145.533,231.961) 1(145.533,231.961) 1(145.613,195.511) 1(145.613,195.511) 1(145.613,197.481) 1(145.613,197.481) 1(145.863,195.451) 1(145.863,195.451) 1(145.863,197.541) 1(145.863,197.541) 1(146.113,195.451) 1(146.113,195.451) 1(146.113,197.541) 1(146.113,197.541) 1(146.353,195.511) 1(146.353,195.511) 1(146.353,197.481) 1(146.353,197.481) 1(146.583,195.631) 1(146.583,195.631) 1(146.583,197.361) 1(146.583,197.361) 1(146.773,195.801) 1(146.773,195.801) 1(146.773,197.191) 1(146.773,197.191) 1(146.913,196.011) 1(146.913,196.011) 1(146.913,196.981) 1(146.913,196.981) 1(147.003,196.241) 1(147.003,196.241) 1(147.003,196.751) 1(147.003,196.751) 1(147.033,196.501) 1(147.033,196.501) 1(148.183,174.961) 1(148.183,174.961) 1(148.213,174.701) 1(148.213,174.701) 1(148.213,175.211) 1(148.213,175.211) 1(148.303,174.471) 1(148.303,174.471) 1(148.303,175.441) 1(148.303,175.441) 1(148.453,174.261) 1(148.453,174.261) 1(148.453,175.651) 1(148.453,175.651) 1(148.643,174.091) 1(148.643,174.091) 1(148.643,175.821) 1(148.643,175.821) 1(148.863,173.971) 1(148.863,173.971) 1(148.863,175.941) 1(148.863,175.941) 1(149.113,173.911) 1(149.113,173.911) 1(149.113,176.001) 1(149.113,176.001) 1(149.363,173.911) 1(149.363,173.911) 1(149.363,176.001) 1(149.363,176.001) 1(149.603,173.971) 1(149.603,173.971) 1(149.603,175.941) 1(149.603,175.941) 1(149.783,234.501) 1(149.783,234.501) 1(149.813,234.241) 1(149.813,234.241) 1(149.813,234.751) 1(149.813,234.751) 1(149.833,174.091) 1(149.833,174.091) 1(149.833,175.821) 1(149.833,175.821) 1(149.903,234.011) 1(149.903,234.011) 1(149.903,234.981) 1(149.903,234.981) 1(150.023,174.261) 1(150.023,174.261) 1(150.023,175.651) 1(150.023,175.651) 1(150.053,233.801) 1(150.053,233.801) 1(150.053,235.191) 1(150.053,235.191) 1(150.163,174.471) 1(150.163,174.471) 1(150.163,175.441) 1(150.163,175.441) 1(150.243,233.631) 1(150.243,233.631) 1(150.243,235.361) 1(150.243,235.361) 1(150.253,174.701) 1(150.253,174.701) 1(150.253,175.211) 1(150.253,175.211) 1(150.283,174.961) 1(150.283,174.961) 1(150.463,233.511) 1(150.463,233.511) 1(150.463,235.481) 1(150.463,235.481) 1(150.713,233.451) 1(150.713,233.451) 1(150.713,235.541) 1(150.713,235.541) 1(150.963,233.451) 1(150.963,233.451) 1(150.963,235.541) 1(150.963,235.541) 1(151.203,233.511) 1(151.203,233.511) 1(151.203,235.481) 1(151.203,235.481) 1(151.433,233.631) 1(151.433,233.631) 1(151.433,235.361) 1(151.433,235.361) 1(151.623,233.801) 1(151.623,233.801) 1(151.623,235.191) 1(151.623,235.191) 1(151.763,234.011) 1(151.763,234.011) 1(151.763,234.981) 1(151.763,234.981) 1(151.853,234.241) 1(151.853,234.241) 1(151.853,234.751) 1(151.853,234.751) 1(151.883,234.501) 1(151.883,234.501) 1(152.933,212.961) 1(152.933,212.961) 1(152.963,212.701) 1(152.963,212.701) 1(152.963,213.211) 1(152.963,213.211) 1(153.053,212.471) 1(153.053,212.471) 1(153.053,213.441) 1(153.053,213.441) 1(153.203,212.261) 1(153.203,212.261) 1(153.203,213.651) 1(153.203,213.651) 1(153.393,212.091) 1(153.393,212.091) 1(153.393,213.821) 1(153.393,213.821) 1(153.613,211.971) 1(153.613,211.971) 1(153.613,213.941) 1(153.613,213.941) 1(153.863,211.911) 1(153.863,211.911) 1(153.863,214.001) 1(153.863,214.001) 1(154.113,211.911) 1(154.113,211.911) 1(154.113,214.001) 1(154.113,214.001) 1(154.353,211.971) 1(154.353,211.971) 1(154.353,213.941) 1(154.353,213.941) 1(154.533,177.501) 1(154.533,177.501) 1(154.563,177.241) 1(154.563,177.241) 1(154.563,177.751) 1(154.563,177.751) 1(154.583,212.091) 1(154.583,212.091) 1(154.583,213.821) 1(154.583,213.821) 1(154.653,177.011) 1(154.653,177.011) 1(154.653,177.981) 1(154.653,177.981) 1(154.773,212.261) 1(154.773,212.261) 1(154.773,213.651) 1(154.773,213.651) 1(154.803,176.801) 1(154.803,176.801) 1(154.803,178.191) 1(154.803,178.191) 1(154.913,212.471) 1(154.913,212.471) 1(154.913,213.441) 1(154.913,213.441) 1(154.993,176.631) 1(154.993,176.631) 1(154.993,178.361) 1(154.993,178.361) 1(155.003,212.701) 1(155.003,212.701) 1(155.003,213.211) 1(155.003,213.211) 1(155.033,212.961) 1(155.033,212.961) 1(155.213,176.511) 1(155.213,176.511) 1(155.213,178.481) 1(155.213,178.481) 1(155.463,176.451) 1(155.463,176.451) 1(155.463,178.541) 1(155.463,178.541) 1(155.713,176.451) 1(155.713,176.451) 1(155.713,178.541) 1(155.713,178.541) 1(155.953,176.511) 1(155.953,176.511) 1(155.953,178.481) 1(155.953,178.481) 1(156.183,176.631) 1(156.183,176.631) 1(156.183,178.361) 1(156.183,178.361) 1(156.373,176.801) 1(156.373,176.801) 1(156.373,178.191) 1(156.373,178.191) 1(156.513,177.011) 1(156.513,177.011) 1(156.513,177.981) 1(156.513,177.981) 1(156.603,177.241) 1(156.603,177.241) 1(156.603,177.751) 1(156.603,177.751) 1(156.633,177.501) 1(156.633,177.501) 1(157.583,193.961) 1(157.583,193.961) 1(157.613,193.701) 1(157.613,193.701) 1(157.613,194.211) 1(157.613,194.211) 1(157.703,193.471) 1(157.703,193.471) 1(157.703,194.441) 1(157.703,194.441) 1(157.853,193.261) 1(157.853,193.261) 1(157.853,194.651) 1(157.853,194.651) 1(158.043,193.091) 1(158.043,193.091) 1(158.043,194.821) 1(158.043,194.821) 1(158.263,192.971) 1(158.263,192.971) 1(158.263,194.941) 1(158.263,194.941) 1(158.513,192.911) 1(158.513,192.911) 1(158.513,195.001) 1(158.513,195.001) 1(158.763,192.911) 1(158.763,192.911) 1(158.763,195.001) 1(158.763,195.001) 1(159.003,192.971) 1(159.003,192.971) 1(159.003,194.941) 1(159.003,194.941) 1(159.233,193.091) 1(159.233,193.091) 1(159.233,194.821) 1(159.233,194.821) 1(159.283,215.501) 1(159.283,215.501) 1(159.313,215.241) 1(159.313,215.241) 1(159.313,215.751) 1(159.313,215.751) 1(159.403,215.011) 1(159.403,215.011) 1(159.403,215.981) 1(159.403,215.981) 1(159.423,193.261) 1(159.423,193.261) 1(159.423,194.651) 1(159.423,194.651) 1(159.553,214.801) 1(159.553,214.801) 1(159.553,216.191) 1(159.553,216.191) 1(159.563,193.471) 1(159.563,193.471) 1(159.563,194.441) 1(159.563,194.441) 1(159.653,193.701) 1(159.653,193.701) 1(159.653,194.211) 1(159.653,194.211) 1(159.683,193.961) 1(159.683,193.961) 1(159.743,214.631) 1(159.743,214.631) 1(159.743,216.361) 1(159.743,216.361) 1(159.963,214.511) 1(159.963,214.511) 1(159.963,216.481) 1(159.963,216.481) 1(160.213,214.451) 1(160.213,214.451) 1(160.213,216.541) 1(160.213,216.541) 1(160.463,214.451) 1(160.463,214.451) 1(160.463,216.541) 1(160.463,216.541) 1(160.703,214.511) 1(160.703,214.511) 1(160.703,216.481) 1(160.703,216.481) 1(160.933,214.631) 1(160.933,214.631) 1(160.933,216.361) 1(160.933,216.361) 1(161.123,214.801) 1(161.123,214.801) 1(161.123,216.191) 1(161.123,216.191) 1(161.263,215.011) 1(161.263,215.011) 1(161.263,215.981) 1(161.263,215.981) 1(161.353,215.241) 1(161.353,215.241) 1(161.353,215.751) 1(161.353,215.751) 1(161.383,215.501) 1(161.383,215.501) 1(162.433,231.961) 1(162.433,231.961) 1(162.463,231.701) 1(162.463,231.701) 1(162.463,232.211) 1(162.463,232.211) 1(162.553,231.471) 1(162.553,231.471) 1(162.553,232.441) 1(162.553,232.441) 1(162.703,231.261) 1(162.703,231.261) 1(162.703,232.651) 1(162.703,232.651) 1(162.893,231.091) 1(162.893,231.091) 1(162.893,232.821) 1(162.893,232.821) 1(163.113,230.971) 1(163.113,230.971) 1(163.113,232.941) 1(163.113,232.941) 1(163.363,230.911) 1(163.363,230.911) 1(163.363,233.001) 1(163.363,233.001) 1(163.613,230.911) 1(163.613,230.911) 1(163.613,233.001) 1(163.613,233.001) 1(163.853,230.971) 1(163.853,230.971) 1(163.853,232.941) 1(163.853,232.941) 1(163.933,196.501) 1(163.933,196.501) 1(163.963,196.241) 1(163.963,196.241) 1(163.963,196.751) 1(163.963,196.751) 1(164.053,196.011) 1(164.053,196.011) 1(164.053,196.981) 1(164.053,196.981) 1(164.083,231.091) 1(164.083,231.091) 1(164.083,232.821) 1(164.083,232.821) 1(164.203,195.801) 1(164.203,195.801) 1(164.203,197.191) 1(164.203,197.191) 1(164.273,231.261) 1(164.273,231.261) 1(164.273,232.651) 1(164.273,232.651) 1(164.393,195.631) 1(164.393,195.631) 1(164.393,197.361) 1(164.393,197.361) 1(164.413,231.471) 1(164.413,231.471) 1(164.413,232.441) 1(164.413,232.441) 1(164.503,231.701) 1(164.503,231.701) 1(164.503,232.211) 1(164.503,232.211) 1(164.533,231.961) 1(164.533,231.961) 1(164.613,195.511) 1(164.613,195.511) 1(164.613,197.481) 1(164.613,197.481) 1(164.863,195.451) 1(164.863,195.451) 1(164.863,197.541) 1(164.863,197.541) 1(165.113,195.451) 1(165.113,195.451) 1(165.113,197.541) 1(165.113,197.541) 1(165.353,195.511) 1(165.353,195.511) 1(165.353,197.481) 1(165.353,197.481) 1(165.583,195.631) 1(165.583,195.631) 1(165.583,197.361) 1(165.583,197.361) 1(165.773,195.801) 1(165.773,195.801) 1(165.773,197.191) 1(165.773,197.191) 1(165.913,196.011) 1(165.913,196.011) 1(165.913,196.981) 1(165.913,196.981) 1(166.003,196.241) 1(166.003,196.241) 1(166.003,196.751) 1(166.003,196.751) 1(166.033,196.501) 1(166.033,196.501) 1(167.183,174.961) 1(167.183,174.961) 1(167.213,174.701) 1(167.213,174.701) 1(167.213,175.211) 1(167.213,175.211) 1(167.303,174.471) 1(167.303,174.471) 1(167.303,175.441) 1(167.303,175.441) 1(167.453,174.261) 1(167.453,174.261) 1(167.453,175.651) 1(167.453,175.651) 1(167.643,174.091) 1(167.643,174.091) 1(167.643,175.821) 1(167.643,175.821) 1(167.863,173.971) 1(167.863,173.971) 1(167.863,175.941) 1(167.863,175.941) 1(168.113,173.911) 1(168.113,173.911) 1(168.113,176.001) 1(168.113,176.001) 1(168.363,173.911) 1(168.363,173.911) 1(168.363,176.001) 1(168.363,176.001) 1(168.603,173.971) 1(168.603,173.971) 1(168.603,175.941) 1(168.603,175.941) 1(168.783,234.501) 1(168.783,234.501) 1(168.813,234.241) 1(168.813,234.241) 1(168.813,234.751) 1(168.813,234.751) 1(168.833,174.091) 1(168.833,174.091) 1(168.833,175.821) 1(168.833,175.821) 1(168.903,234.011) 1(168.903,234.011) 1(168.903,234.981) 1(168.903,234.981) 1(169.023,174.261) 1(169.023,174.261) 1(169.023,175.651) 1(169.023,175.651) 1(169.053,233.801) 1(169.053,233.801) 1(169.053,235.191) 1(169.053,235.191) 1(169.163,174.471) 1(169.163,174.471) 1(169.163,175.441) 1(169.163,175.441) 1(169.243,233.631) 1(169.243,233.631) 1(169.243,235.361) 1(169.243,235.361) 1(169.253,174.701) 1(169.253,174.701) 1(169.253,175.211) 1(169.253,175.211) 1(169.283,174.961) 1(169.283,174.961) 1(169.463,233.511) 1(169.463,233.511) 1(169.463,235.481) 1(169.463,235.481) 1(169.558,155.961) 1(169.558,155.961) 1(169.588,155.701) 1(169.588,155.701) 1(169.588,156.211) 1(169.588,156.211) 1(169.678,155.471) 1(169.678,155.471) 1(169.678,156.441) 1(169.678,156.441) 1(169.713,233.451) 1(169.713,233.451) 1(169.713,235.541) 1(169.713,235.541) 1(169.828,155.261) 1(169.828,155.261) 1(169.828,156.651) 1(169.828,156.651) 1(169.963,233.451) 1(169.963,233.451) 1(169.963,235.541) 1(169.963,235.541) 1(170.018,155.091) 1(170.018,155.091) 1(170.018,156.821) 1(170.018,156.821) 1(170.203,233.511) 1(170.203,233.511) 1(170.203,235.481) 1(170.203,235.481) 1(170.238,154.971) 1(170.238,154.971) 1(170.238,156.941) 1(170.238,156.941) 1(170.433,233.631) 1(170.433,233.631) 1(170.433,235.361) 1(170.433,235.361) 1(170.488,154.911) 1(170.488,154.911) 1(170.488,157.001) 1(170.488,157.001) 1(170.623,233.801) 1(170.623,233.801) 1(170.623,235.191) 1(170.623,235.191) 1(170.738,154.911) 1(170.738,154.911) 1(170.738,157.001) 1(170.738,157.001) 1(170.763,234.011) 1(170.763,234.011) 1(170.763,234.981) 1(170.763,234.981) 1(170.853,234.241) 1(170.853,234.241) 1(170.853,234.751) 1(170.853,234.751) 1(170.883,234.501) 1(170.883,234.501) 1(170.978,154.971) 1(170.978,154.971) 1(170.978,156.941) 1(170.978,156.941) 1(171.208,155.091) 1(171.208,155.091) 1(171.208,156.821) 1(171.208,156.821) 1(171.398,155.261) 1(171.398,155.261) 1(171.398,156.651) 1(171.398,156.651) 1(171.538,155.471) 1(171.538,155.471) 1(171.538,156.441) 1(171.538,156.441) 1(171.628,155.701) 1(171.628,155.701) 1(171.628,156.211) 1(171.628,156.211) 1(171.658,155.961) 1(171.658,155.961) 1(171.933,212.961) 1(171.933,212.961) 1(171.963,212.701) 1(171.963,212.701) 1(171.963,213.211) 1(171.963,213.211) 1(172.053,212.471) 1(172.053,212.471) 1(172.053,213.441) 1(172.053,213.441) 1(172.203,212.261) 1(172.203,212.261) 1(172.203,213.651) 1(172.203,213.651) 1(172.393,212.091) 1(172.393,212.091) 1(172.393,213.821) 1(172.393,213.821) 1(172.613,211.971) 1(172.613,211.971) 1(172.613,213.941) 1(172.613,213.941) 1(172.863,211.911) 1(172.863,211.911) 1(172.863,214.001) 1(172.863,214.001) 1(173.113,211.911) 1(173.113,211.911) 1(173.113,214.001) 1(173.113,214.001) 1(173.353,211.971) 1(173.353,211.971) 1(173.353,213.941) 1(173.353,213.941) 1(173.533,177.501) 1(173.533,177.501) 1(173.563,177.241) 1(173.563,177.241) 1(173.563,177.751) 1(173.563,177.751) 1(173.583,212.091) 1(173.583,212.091) 1(173.583,213.821) 1(173.583,213.821) 1(173.653,177.011) 1(173.653,177.011) 1(173.653,177.981) 1(173.653,177.981) 1(173.773,212.261) 1(173.773,212.261) 1(173.773,213.651) 1(173.773,213.651) 1(173.803,176.801) 1(173.803,176.801) 1(173.803,178.191) 1(173.803,178.191) 1(173.913,212.471) 1(173.913,212.471) 1(173.913,213.441) 1(173.913,213.441) 1(173.993,176.631) 1(173.993,176.631) 1(173.993,178.361) 1(173.993,178.361) 1(174.003,212.701) 1(174.003,212.701) 1(174.003,213.211) 1(174.003,213.211) 1(174.033,212.961) 1(174.033,212.961) 1(174.213,176.511) 1(174.213,176.511) 1(174.213,178.481) 1(174.213,178.481) 1(174.463,176.451) 1(174.463,176.451) 1(174.463,178.541) 1(174.463,178.541) 1(174.713,176.451) 1(174.713,176.451) 1(174.713,178.541) 1(174.713,178.541) 1(174.953,176.511) 1(174.953,176.511) 1(174.953,178.481) 1(174.953,178.481) 1(175.183,176.631) 1(175.183,176.631) 1(175.183,178.361) 1(175.183,178.361) 1(175.373,176.801) 1(175.373,176.801) 1(175.373,178.191) 1(175.373,178.191) 1(175.513,177.011) 1(175.513,177.011) 1(175.513,177.981) 1(175.513,177.981) 1(175.603,177.241) 1(175.603,177.241) 1(175.603,177.751) 1(175.603,177.751) 1(175.633,177.501) 1(175.633,177.501) 1(175.908,158.501) 1(175.908,158.501) 1(175.938,158.241) 1(175.938,158.241) 1(175.938,158.751) 1(175.938,158.751) 1(176.028,158.011) 1(176.028,158.011) 1(176.028,158.981) 1(176.028,158.981) 1(176.178,157.801) 1(176.178,157.801) 1(176.178,159.191) 1(176.178,159.191) 1(176.368,157.631) 1(176.368,157.631) 1(176.368,159.361) 1(176.368,159.361) 1(176.583,193.961) 1(176.583,193.961) 1(176.588,157.511) 1(176.588,157.511) 1(176.588,159.481) 1(176.588,159.481) 1(176.613,193.701) 1(176.613,193.701) 1(176.613,194.211) 1(176.613,194.211) 1(176.703,193.471) 1(176.703,193.471) 1(176.703,194.441) 1(176.703,194.441) 1(176.838,157.451) 1(176.838,157.451) 1(176.838,159.541) 1(176.838,159.541) 1(176.853,193.261) 1(176.853,193.261) 1(176.853,194.651) 1(176.853,194.651) 1(177.043,193.091) 1(177.043,193.091) 1(177.043,194.821) 1(177.043,194.821) 1(177.088,157.451) 1(177.088,157.451) 1(177.088,159.541) 1(177.088,159.541) 1(177.263,192.971) 1(177.263,192.971) 1(177.263,194.941) 1(177.263,194.941) 1(177.328,157.511) 1(177.328,157.511) 1(177.328,159.481) 1(177.328,159.481) 1(177.513,192.911) 1(177.513,192.911) 1(177.513,195.001) 1(177.513,195.001) 1(177.558,157.631) 1(177.558,157.631) 1(177.558,159.361) 1(177.558,159.361) 1(177.748,157.801) 1(177.748,157.801) 1(177.748,159.191) 1(177.748,159.191) 1(177.763,192.911) 1(177.763,192.911) 1(177.763,195.001) 1(177.763,195.001) 1(177.888,158.011) 1(177.888,158.011) 1(177.888,158.981) 1(177.888,158.981) 1(177.978,158.241) 1(177.978,158.241) 1(177.978,158.751) 1(177.978,158.751) 1(178.003,192.971) 1(178.003,192.971) 1(178.003,194.941) 1(178.003,194.941) 1(178.008,158.501) 1(178.008,158.501) 1(178.233,193.091) 1(178.233,193.091) 1(178.233,194.821) 1(178.233,194.821) 1(178.283,215.501) 1(178.283,215.501) 1(178.313,215.241) 1(178.313,215.241) 1(178.313,215.751) 1(178.313,215.751) 1(178.403,215.011) 1(178.403,215.011) 1(178.403,215.981) 1(178.403,215.981) 1(178.423,193.261) 1(178.423,193.261) 1(178.423,194.651) 1(178.423,194.651) 1(178.553,214.801) 1(178.553,214.801) 1(178.553,216.191) 1(178.553,216.191) 1(178.563,193.471) 1(178.563,193.471) 1(178.563,194.441) 1(178.563,194.441) 1(178.653,193.701) 1(178.653,193.701) 1(178.653,194.211) 1(178.653,194.211) 1(178.683,193.961) 1(178.683,193.961) 1(178.743,214.631) 1(178.743,214.631) 1(178.743,216.361) 1(178.743,216.361) 1(178.963,214.511) 1(178.963,214.511) 1(178.963,216.481) 1(178.963,216.481) 1(179.213,214.451) 1(179.213,214.451) 1(179.213,216.541) 1(179.213,216.541) 1(179.463,214.451) 1(179.463,214.451) 1(179.463,216.541) 1(179.463,216.541) 1(179.703,214.511) 1(179.703,214.511) 1(179.703,216.481) 1(179.703,216.481) 1(179.933,214.631) 1(179.933,214.631) 1(179.933,216.361) 1(179.933,216.361) 1(180.123,214.801) 1(180.123,214.801) 1(180.123,216.191) 1(180.123,216.191) 1(180.263,215.011) 1(180.263,215.011) 1(180.263,215.981) 1(180.263,215.981) 1(180.353,215.241) 1(180.353,215.241) 1(180.353,215.751) 1(180.353,215.751) 1(180.383,215.501) 1(180.383,215.501) 1(181.433,231.961) 1(181.433,231.961) 1(181.463,231.701) 1(181.463,231.701)